# EAGLE board working (EAGLE 9.6.2), part 3 of 28
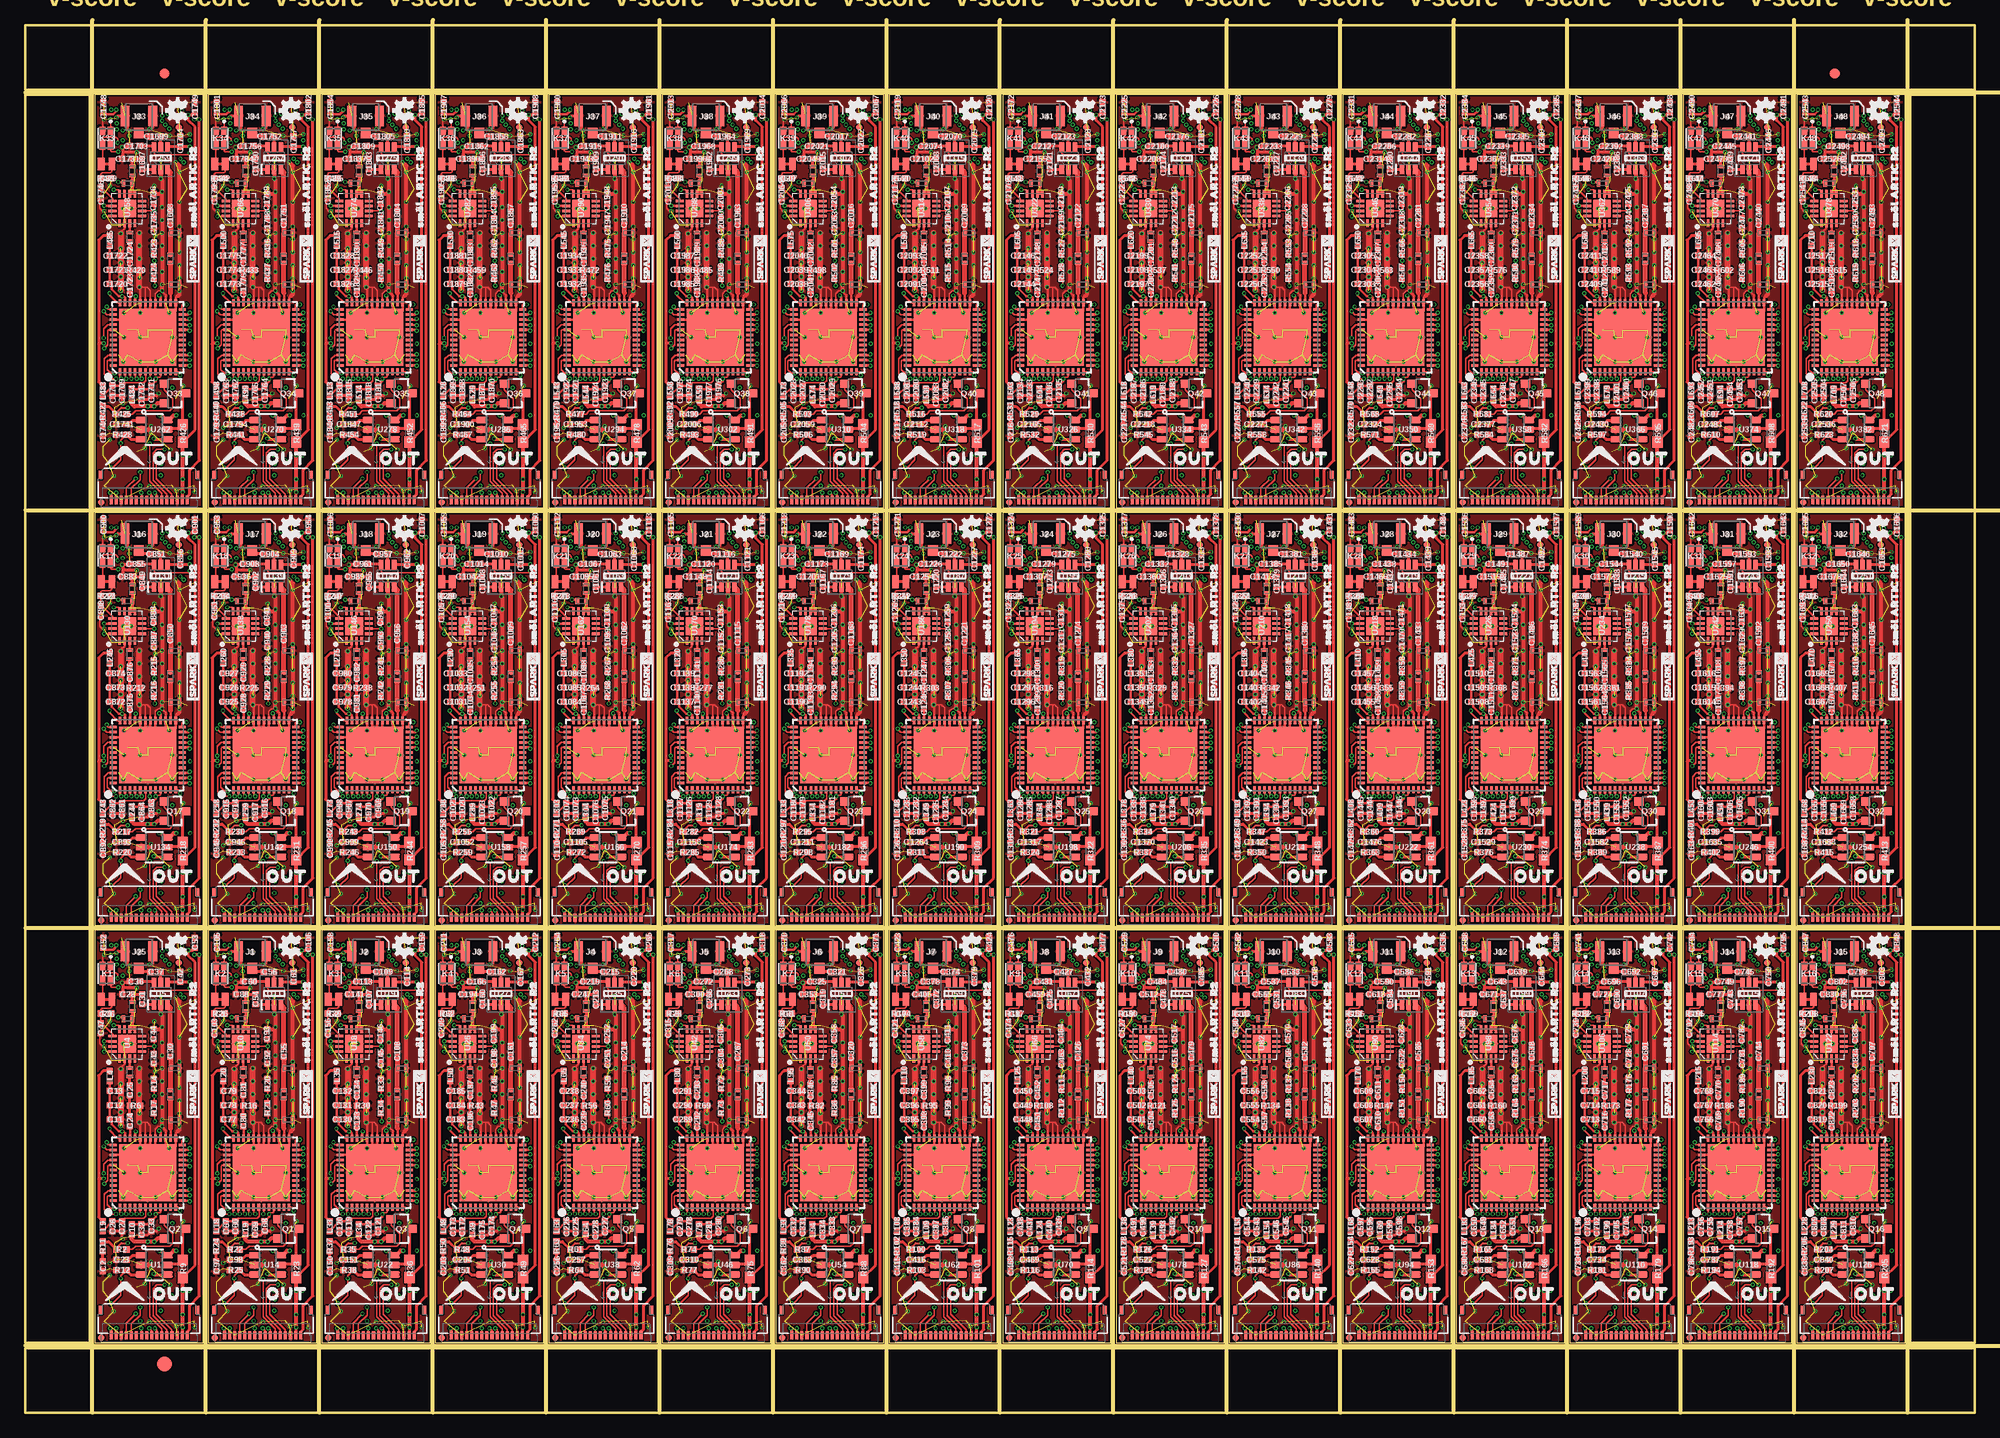
[diagram p0: board, top side]
## Placement (x,y rotation side) (continued)
C1873  0.1uF  [0402-TIGHT]  41.85,109.6 0 bottom
C1874  22pF  [0402-TIGHT]  42.67,104.71 270 bottom
C1875  0.1uF  [0402-TIGHT]  43.62,104.71 270 bottom
C1876  1.0uF  [0402-TIGHT]  45.59,107.12 270 bottom
C1877  47nF  [0402-TIGHT]  44.64,107.12 270 bottom
C1878  1.0nF  [0402-TIGHT]  41.21,107.28 90 bottom
C1879  100pF  [0402-TIGHT]  42.35,111.19 0 top
C1880  1.0uF  [0402-TIGHT]  42.35,112.59 0 top
C1881  10uF  [0402-TIGHT]  42.35,113.98 0 top
C1882  100pF  [0402-TIGHT]  43.81,111 90 top
C1883  100pF  [0402-TIGHT]  43.81,114.05 90 top
C1884  100pF  [0402-TIGHT]  41.78,122.3 180 bottom
C1885  100pF  [0402-TIGHT]  42.1,117.48 90 bottom
C1886  2.2uF  [0402-TIGHT]  43.05,117.48 90 bottom
C1887  22pF  [0402-TIGHT]  43.88,119.89 90 bottom
C1888  2.2uF  [0402-TIGHT]  44.83,119.89 90 bottom
C1889  2.4 pF  [0402_MURATA]  47.82,113.67 90 top
C1890  9.1pF  [0402-TIGHT]  43.56,123.51 0 top
C1891  100pF  [0402-TIGHT]  43.81,121.35 180 bottom
C1892  2.2uF  [0402-TIGHT]  43.81,122.3 180 bottom
C1893  10uF  [0402-TIGHT]  43.81,123.25 180 bottom
C1894  100pF  [0402-TIGHT]  46.16,117.16 90 top
C1895  2.2uF  [0402-TIGHT]  46.16,119.57 90 top
C1896  22pF  [0402-TIGHT]  48.51,104.71 270 bottom
C1897  0.1uF  [0402-TIGHT]  47.56,104.71 270 bottom
C1898  2.2uF  [0402-TIGHT]  49.66,91.31 180 bottom
C1899  10nF  [0402-TIGHT]  41.15,96.71 270 top
C1900  1.0uF  [0402-TIGHT]  42.99,97.35 180 top
C1901  2.2uF  [0402-TIGHT]  41.72,94.23 0 bottom
C1902  0.1uF  [0402-TIGHT]  43.43,96.9 90 bottom
C1903  1.0uF  [0402-TIGHT]  50.42,122.49 90 bottom
C1904  0.1uF  [0402-TIGHT]  48.77,99.89 0 bottom
C1905  100pF  [0402-TIGHT]  40.96,120.14 90 top
C1906  0.1uF  [0402-TIGHT]  44.01,94.68 180 bottom
C1907  2.2uF  [0402-TIGHT]  41.21,128.59 90 top
C1908  2.2uF  [0402-TIGHT]  50.23,128.59 90 top
C1909  100pF  [0402-TIGHT]  56.2,123 90 top
C1910  100pF  [0402-TIGHT]  58.99,117.86 270 top
C1911  100pF  [0402-TIGHT]  57.53,125.73 0 top
C1912  1.0uF  [0402-TIGHT]  52.96,99 180 bottom
C1913  1.0uF  [0402-TIGHT]  52.9,95.19 0 bottom
C1914  2.2uF  [0402-TIGHT]  52.96,91.31 0 bottom
C1915  100pF  [0402-TIGHT]  55.5,124.78 180 top
C1916  100pF  [0402-TIGHT]  59.94,125.22 90 top
C1917  22pF  [0402-TIGHT]  60.64,110.3 90 bottom
C1918  0.1uF  [0402-TIGHT]  58.93,110.68 90 bottom
C1919  22pF  [0402-TIGHT]  58.29,107.12 270 bottom
C1920  0.1uF  [0402-TIGHT]  59.25,107.12 270 bottom
C1921  22pF  [0402-TIGHT]  54.23,100.65 270 top
C1922  0.1uF  [0402-TIGHT]  53.28,100.65 270 top
C1923  22pF  [0402-TIGHT]  57.09,100.65 270 top
C1924  0.1uF  [0402-TIGHT]  56.13,100.33 270 top
C1925  22pF  [0402-TIGHT]  55.12,109.16 180 bottom
C1926  0.1uF  [0402-TIGHT]  53.02,109.6 0 bottom
C1927  22pF  [0402-TIGHT]  53.85,104.71 270 bottom
C1928  0.1uF  [0402-TIGHT]  54.8,104.71 270 bottom
C1929  1.0uF  [0402-TIGHT]  56.77,107.12 270 bottom
C1930  47nF  [0402-TIGHT]  55.82,107.12 270 bottom
C1931  1.0nF  [0402-TIGHT]  52.39,107.28 90 bottom
C1932  100pF  [0402-TIGHT]  53.53,111.19 0 top
C1933  1.0uF  [0402-TIGHT]  53.53,112.59 0 top
C1934  10uF  [0402-TIGHT]  53.53,113.98 0 top
C1935  100pF  [0402-TIGHT]  54.99,111 90 top
C1936  100pF  [0402-TIGHT]  54.99,114.05 90 top
C1937  100pF  [0402-TIGHT]  52.96,122.3 180 bottom
C1938  100pF  [0402-TIGHT]  53.28,117.48 90 bottom
C1939  2.2uF  [0402-TIGHT]  54.23,117.48 90 bottom
C1940  22pF  [0402-TIGHT]  55.05,119.89 90 bottom
C1941  2.2uF  [0402-TIGHT]  56.01,119.89 90 bottom
C1942  2.4 pF  [0402_MURATA]  58.99,113.67 90 top
C1943  9.1pF  [0402-TIGHT]  54.74,123.51 0 top
C1944  100pF  [0402-TIGHT]  54.99,121.35 180 bottom
C1945  2.2uF  [0402-TIGHT]  54.99,122.3 180 bottom
C1946  10uF  [0402-TIGHT]  54.99,123.25 180 bottom
C1947  100pF  [0402-TIGHT]  57.34,117.16 90 top
C1948  2.2uF  [0402-TIGHT]  57.34,119.57 90 top
C1949  22pF  [0402-TIGHT]  59.69,104.71 270 bottom
C1950  0.1uF  [0402-TIGHT]  58.74,104.71 270 bottom
C1951  2.2uF  [0402-TIGHT]  60.83,91.31 180 bottom
C1952  10nF  [0402-TIGHT]  52.32,96.71 270 top
C1953  1.0uF  [0402-TIGHT]  54.17,97.35 180 top
C1954  2.2uF  [0402-TIGHT]  52.9,94.23 0 bottom
C1955  0.1uF  [0402-TIGHT]  54.61,96.9 90 bottom
C1956  1.0uF  [0402-TIGHT]  61.59,122.49 90 bottom
C1957  0.1uF  [0402-TIGHT]  59.94,99.89 0 bottom
C1958  100pF  [0402-TIGHT]  52.13,120.14 90 top
C1959  0.1uF  [0402-TIGHT]  55.18,94.68 180 bottom
C1960  2.2uF  [0402-TIGHT]  52.39,128.59 90 top
C1961  2.2uF  [0402-TIGHT]  61.4,128.59 90 top
C1962  100pF  [0402-TIGHT]  67.37,123 90 top
C1963  100pF  [0402-TIGHT]  70.17,117.86 270 top
C1964  100pF  [0402-TIGHT]  68.71,125.73 0 top
C1965  1.0uF  [0402-TIGHT]  64.14,99 180 bottom
C1966  1.0uF  [0402-TIGHT]  64.07,95.19 0 bottom
C1967  2.2uF  [0402-TIGHT]  64.14,91.31 0 bottom
C1968  100pF  [0402-TIGHT]  66.67,124.78 180 top
C1969  100pF  [0402-TIGHT]  71.12,125.22 90 top
C1970  22pF  [0402-TIGHT]  71.82,110.3 90 bottom
C1971  0.1uF  [0402-TIGHT]  70.1,110.68 90 bottom
C1972  22pF  [0402-TIGHT]  69.47,107.12 270 bottom
C1973  0.1uF  [0402-TIGHT]  70.42,107.12 270 bottom
C1974  22pF  [0402-TIGHT]  65.41,100.65 270 top
C1975  0.1uF  [0402-TIGHT]  64.45,100.65 270 top
C1976  22pF  [0402-TIGHT]  68.26,100.65 270 top
C1977  0.1uF  [0402-TIGHT]  67.31,100.33 270 top
C1978  22pF  [0402-TIGHT]  66.29,109.16 180 bottom
C1979  0.1uF  [0402-TIGHT]  64.2,109.6 0 bottom
C1980  22pF  [0402-TIGHT]  65.02,104.71 270 bottom
C1981  0.1uF  [0402-TIGHT]  65.98,104.71 270 bottom
C1982  1.0uF  [0402-TIGHT]  67.95,107.12 270 bottom
C1983  47nF  [0402-TIGHT]  66.99,107.12 270 bottom
C1984  1.0nF  [0402-TIGHT]  63.56,107.28 90 bottom
C1985  100pF  [0402-TIGHT]  64.71,111.19 0 top
C1986  1.0uF  [0402-TIGHT]  64.71,112.59 0 top
C1987  10uF  [0402-TIGHT]  64.71,113.98 0 top
C1988  100pF  [0402-TIGHT]  66.17,111 90 top
C1989  100pF  [0402-TIGHT]  66.17,114.05 90 top
C1990  100pF  [0402-TIGHT]  64.14,122.3 180 bottom
C1991  100pF  [0402-TIGHT]  64.45,117.48 90 bottom
C1992  2.2uF  [0402-TIGHT]  65.41,117.48 90 bottom
C1993  22pF  [0402-TIGHT]  66.23,119.89 90 bottom
C1994  2.2uF  [0402-TIGHT]  67.18,119.89 90 bottom
C1995  2.4 pF  [0402_MURATA]  70.17,113.67 90 top
C1996  9.1pF  [0402-TIGHT]  65.91,123.51 0 top
C1997  100pF  [0402-TIGHT]  66.17,121.35 180 bottom
C1998  2.2uF  [0402-TIGHT]  66.17,122.3 180 bottom
C1999  10uF  [0402-TIGHT]  66.17,123.25 180 bottom
C2000  100pF  [0402-TIGHT]  68.52,117.16 90 top
C2001  2.2uF  [0402-TIGHT]  68.52,119.57 90 top
C2002  22pF  [0402-TIGHT]  70.87,104.71 270 bottom
C2003  0.1uF  [0402-TIGHT]  69.91,104.71 270 bottom
C2004  2.2uF  [0402-TIGHT]  72.01,91.31 180 bottom
C2005  10nF  [0402-TIGHT]  63.5,96.71 270 top
C2006  1.0uF  [0402-TIGHT]  65.34,97.35 180 top
C2007  2.2uF  [0402-TIGHT]  64.07,94.23 0 bottom
C2008  0.1uF  [0402-TIGHT]  65.79,96.9 90 bottom
C2009  1.0uF  [0402-TIGHT]  72.77,122.49 90 bottom
C2010  0.1uF  [0402-TIGHT]  71.12,99.89 0 bottom
C2011  100pF  [0402-TIGHT]  63.31,120.14 90 top
C2012  0.1uF  [0402-TIGHT]  66.36,94.68 180 bottom
C2013  2.2uF  [0402-TIGHT]  63.56,128.59 90 top
C2014  2.2uF  [0402-TIGHT]  72.58,128.59 90 top
C2015  100pF  [0402-TIGHT]  78.55,123 90 top
C2016  100pF  [0402-TIGHT]  81.34,117.86 270 top
C2017  100pF  [0402-TIGHT]  79.88,125.73 0 top
C2018  1.0uF  [0402-TIGHT]  75.31,99 180 bottom
C2019  1.0uF  [0402-TIGHT]  75.25,95.19 0 bottom
C2020  2.2uF  [0402-TIGHT]  75.31,91.31 0 bottom
C2021  100pF  [0402-TIGHT]  77.85,124.78 180 top
C2022  100pF  [0402-TIGHT]  82.3,125.22 90 top
C2023  22pF  [0402-TIGHT]  82.99,110.3 90 bottom
C2024  0.1uF  [0402-TIGHT]  81.28,110.68 90 bottom
C2025  22pF  [0402-TIGHT]  80.65,107.12 270 bottom
C2026  0.1uF  [0402-TIGHT]  81.6,107.12 270 bottom
C2027  22pF  [0402-TIGHT]  76.58,100.65 270 top
C2028  0.1uF  [0402-TIGHT]  75.63,100.65 270 top
C2029  22pF  [0402-TIGHT]  79.44,100.65 270 top
C2030  0.1uF  [0402-TIGHT]  78.49,100.33 270 top
C2031  22pF  [0402-TIGHT]  77.47,109.16 180 bottom
C2032  0.1uF  [0402-TIGHT]  75.37,109.6 0 bottom
C2033  22pF  [0402-TIGHT]  76.2,104.71 270 bottom
C2034  0.1uF  [0402-TIGHT]  77.15,104.71 270 bottom
C2035  1.0uF  [0402-TIGHT]  79.12,107.12 270 bottom
C2036  47nF  [0402-TIGHT]  78.17,107.12 270 bottom
C2037  1.0nF  [0402-TIGHT]  74.74,107.28 90 bottom
C2038  100pF  [0402-TIGHT]  75.88,111.19 0 top
C2039  1.0uF  [0402-TIGHT]  75.88,112.59 0 top
C2040  10uF  [0402-TIGHT]  75.88,113.98 0 top
C2041  100pF  [0402-TIGHT]  77.34,111 90 top
C2042  100pF  [0402-TIGHT]  77.34,114.05 90 top
C2043  100pF  [0402-TIGHT]  75.31,122.3 180 bottom
C2044  100pF  [0402-TIGHT]  75.63,117.48 90 bottom
C2045  2.2uF  [0402-TIGHT]  76.58,117.48 90 bottom
C2046  22pF  [0402-TIGHT]  77.41,119.89 90 bottom
C2047  2.2uF  [0402-TIGHT]  78.36,119.89 90 bottom
C2048  2.4 pF  [0402_MURATA]  81.34,113.67 90 top
C2049  9.1pF  [0402-TIGHT]  77.09,123.51 0 top
C2050  100pF  [0402-TIGHT]  77.34,121.35 180 bottom
C2051  2.2uF  [0402-TIGHT]  77.34,122.3 180 bottom
C2052  10uF  [0402-TIGHT]  77.34,123.25 180 bottom
C2053  100pF  [0402-TIGHT]  79.69,117.16 90 top
C2054  2.2uF  [0402-TIGHT]  79.69,119.57 90 top
C2055  22pF  [0402-TIGHT]  82.04,104.71 270 bottom
C2056  0.1uF  [0402-TIGHT]  81.09,104.71 270 bottom
C2057  2.2uF  [0402-TIGHT]  83.19,91.31 180 bottom
C2058  10nF  [0402-TIGHT]  74.68,96.71 270 top
C2059  1.0uF  [0402-TIGHT]  76.52,97.35 180 top
C2060  2.2uF  [0402-TIGHT]  75.25,94.23 0 bottom
C2061  0.1uF  [0402-TIGHT]  76.96,96.9 90 bottom
C2062  1.0uF  [0402-TIGHT]  83.95,122.49 90 bottom
C2063  0.1uF  [0402-TIGHT]  82.3,99.89 0 bottom
C2064  100pF  [0402-TIGHT]  74.49,120.14 90 top
C2065  0.1uF  [0402-TIGHT]  77.53,94.68 180 bottom
C2066  2.2uF  [0402-TIGHT]  74.74,128.59 90 top
C2067  2.2uF  [0402-TIGHT]  83.76,128.59 90 top
C2068  100pF  [0402-TIGHT]  89.73,123 90 top
C2069  100pF  [0402-TIGHT]  92.52,117.86 270 top
C2070  100pF  [0402-TIGHT]  91.06,125.73 0 top
C2071  1.0uF  [0402-TIGHT]  86.49,99 180 bottom
C2072  1.0uF  [0402-TIGHT]  86.42,95.19 0 bottom
C2073  2.2uF  [0402-TIGHT]  86.49,91.31 0 bottom
C2074  100pF  [0402-TIGHT]  89.03,124.78 180 top
C2075  100pF  [0402-TIGHT]  93.47,125.22 90 top
C2076  22pF  [0402-TIGHT]  94.17,110.3 90 bottom
C2077  0.1uF  [0402-TIGHT]  92.46,110.68 90 bottom
C2078  22pF  [0402-TIGHT]  91.82,107.12 270 bottom
C2079  0.1uF  [0402-TIGHT]  92.77,107.12 270 bottom
C2080  22pF  [0402-TIGHT]  87.76,100.65 270 top
C2081  0.1uF  [0402-TIGHT]  86.8,100.65 270 top
C2082  22pF  [0402-TIGHT]  90.61,100.65 270 top
C2083  0.1uF  [0402-TIGHT]  89.66,100.33 270 top
C2084  22pF  [0402-TIGHT]  88.65,109.16 180 bottom
C2085  0.1uF  [0402-TIGHT]  86.55,109.6 0 bottom
C2086  22pF  [0402-TIGHT]  87.38,104.71 270 bottom
C2087  0.1uF  [0402-TIGHT]  88.33,104.71 270 bottom
C2088  1.0uF  [0402-TIGHT]  90.3,107.12 270 bottom
C2089  47nF  [0402-TIGHT]  89.34,107.12 270 bottom
C2090  1.0nF  [0402-TIGHT]  85.92,107.28 90 bottom
C2091  100pF  [0402-TIGHT]  87.06,111.19 0 top
C2092  1.0uF  [0402-TIGHT]  87.06,112.59 0 top
C2093  10uF  [0402-TIGHT]  87.06,113.98 0 top
C2094  100pF  [0402-TIGHT]  88.52,111 90 top
C2095  100pF  [0402-TIGHT]  88.52,114.05 90 top
C2096  100pF  [0402-TIGHT]  86.49,122.3 180 bottom
C2097  100pF  [0402-TIGHT]  86.8,117.48 90 bottom
C2098  2.2uF  [0402-TIGHT]  87.76,117.48 90 bottom
C2099  22pF  [0402-TIGHT]  88.58,119.89 90 bottom
C2100  2.2uF  [0402-TIGHT]  89.54,119.89 90 bottom
C2101  2.4 pF  [0402_MURATA]  92.52,113.67 90 top
C2102  9.1pF  [0402-TIGHT]  88.27,123.51 0 top
C2103  100pF  [0402-TIGHT]  88.52,121.35 180 bottom
C2104  2.2uF  [0402-TIGHT]  88.52,122.3 180 bottom
C2105  10uF  [0402-TIGHT]  88.52,123.25 180 bottom
C2106  100pF  [0402-TIGHT]  90.87,117.16 90 top
C2107  2.2uF  [0402-TIGHT]  90.87,119.57 90 top
C2108  22pF  [0402-TIGHT]  93.22,104.71 270 bottom
C2109  0.1uF  [0402-TIGHT]  92.27,104.71 270 bottom
C2110  2.2uF  [0402-TIGHT]  94.36,91.31 180 bottom
C2111  10nF  [0402-TIGHT]  85.85,96.71 270 top
C2112  1.0uF  [0402-TIGHT]  87.69,97.35 180 top
C2113  2.2uF  [0402-TIGHT]  86.42,94.23 0 bottom
C2114  0.1uF  [0402-TIGHT]  88.14,96.9 90 bottom
C2115  1.0uF  [0402-TIGHT]  95.12,122.49 90 bottom
C2116  0.1uF  [0402-TIGHT]  93.47,99.89 0 bottom
C2117  100pF  [0402-TIGHT]  85.66,120.14 90 top
C2118  0.1uF  [0402-TIGHT]  88.71,94.68 180 bottom
C2119  2.2uF  [0402-TIGHT]  85.92,128.59 90 top
C2120  2.2uF  [0402-TIGHT]  94.93,128.59 90 top
C2121  100pF  [0402-TIGHT]  100.9,123 90 top
C2122  100pF  [0402-TIGHT]  103.7,117.86 270 top
C2123  100pF  [0402-TIGHT]  102.23,125.73 0 top
C2124  1.0uF  [0402-TIGHT]  97.66,99 180 bottom
C2125  1.0uF  [0402-TIGHT]  97.6,95.19 0 bottom
C2126  2.2uF  [0402-TIGHT]  97.66,91.31 0 bottom
C2127  100pF  [0402-TIGHT]  100.2,124.78 180 top
C2128  100pF  [0402-TIGHT]  104.65,125.22 90 top
C2129  22pF  [0402-TIGHT]  105.35,110.3 90 bottom
C2130  0.1uF  [0402-TIGHT]  103.63,110.68 90 bottom
C2131  22pF  [0402-TIGHT]  103,107.12 270 bottom
C2132  0.1uF  [0402-TIGHT]  103.95,107.12 270 bottom
C2133  22pF  [0402-TIGHT]  98.93,100.65 270 top
C2134  0.1uF  [0402-TIGHT]  97.98,100.65 270 top
C2135  22pF  [0402-TIGHT]  101.79,100.65 270 top
C2136  0.1uF  [0402-TIGHT]  100.84,100.33 270 top
C2137  22pF  [0402-TIGHT]  99.82,109.16 180 bottom
C2138  0.1uF  [0402-TIGHT]  97.73,109.6 0 bottom
C2139  22pF  [0402-TIGHT]  98.55,104.71 270 bottom
C2140  0.1uF  [0402-TIGHT]  99.5,104.71 270 bottom
C2141  1.0uF  [0402-TIGHT]  101.47,107.12 270 bottom
C2142  47nF  [0402-TIGHT]  100.52,107.12 270 bottom
C2143  1.0nF  [0402-TIGHT]  97.09,107.28 90 bottom
C2144  100pF  [0402-TIGHT]  98.23,111.19 0 top
C2145  1.0uF  [0402-TIGHT]  98.23,112.59 0 top
C2146  10uF  [0402-TIGHT]  98.23,113.98 0 top
C2147  100pF  [0402-TIGHT]  99.7,111 90 top
C2148  100pF  [0402-TIGHT]  99.7,114.05 90 top
C2149  100pF  [0402-TIGHT]  97.66,122.3 180 bottom
C2150  100pF  [0402-TIGHT]  97.98,117.48 90 bottom
C2151  2.2uF  [0402-TIGHT]  98.93,117.48 90 bottom
C2152  22pF  [0402-TIGHT]  99.76,119.89 90 bottom
C2153  2.2uF  [0402-TIGHT]  100.71,119.89 90 bottom
C2154  2.4 pF  [0402_MURATA]  103.7,113.67 90 top
C2155  9.1pF  [0402-TIGHT]  99.44,123.51 0 top
C2156  100pF  [0402-TIGHT]  99.7,121.35 180 bottom
C2157  2.2uF  [0402-TIGHT]  99.7,122.3 180 bottom
C2158  10uF  [0402-TIGHT]  99.7,123.25 180 bottom
C2159  100pF  [0402-TIGHT]  102.04,117.16 90 top
C2160  2.2uF  [0402-TIGHT]  102.04,119.57 90 top
C2161  22pF  [0402-TIGHT]  104.39,104.71 270 bottom
C2162  0.1uF  [0402-TIGHT]  103.44,104.71 270 bottom
C2163  2.2uF  [0402-TIGHT]  105.54,91.31 180 bottom
C2164  10nF  [0402-TIGHT]  97.03,96.71 270 top
C2165  1.0uF  [0402-TIGHT]  98.87,97.35 180 top
C2166  2.2uF  [0402-TIGHT]  97.6,94.23 0 bottom
C2167  0.1uF  [0402-TIGHT]  99.31,96.9 90 bottom
C2168  1.0uF  [0402-TIGHT]  106.3,122.49 90 bottom
C2169  0.1uF  [0402-TIGHT]  104.65,99.89 0 bottom
C2170  100pF  [0402-TIGHT]  96.84,120.14 90 top
C2171  0.1uF  [0402-TIGHT]  99.89,94.68 180 bottom
C2172  2.2uF  [0402-TIGHT]  97.09,128.59 90 top
C2173  2.2uF  [0402-TIGHT]  106.11,128.59 90 top
C2174  100pF  [0402-TIGHT]  112.08,123 90 top
C2175  100pF  [0402-TIGHT]  114.87,117.86 270 top
C2176  100pF  [0402-TIGHT]  113.41,125.73 0 top
C2177  1.0uF  [0402-TIGHT]  108.84,99 180 bottom
C2178  1.0uF  [0402-TIGHT]  108.78,95.19 0 bottom
C2179  2.2uF  [0402-TIGHT]  108.84,91.31 0 bottom
C2180  100pF  [0402-TIGHT]  111.38,124.78 180 top
C2181  100pF  [0402-TIGHT]  115.82,125.22 90 top
C2182  22pF  [0402-TIGHT]  116.52,110.3 90 bottom
C2183  0.1uF  [0402-TIGHT]  114.81,110.68 90 bottom
C2184  22pF  [0402-TIGHT]  114.17,107.12 270 bottom
C2185  0.1uF  [0402-TIGHT]  115.13,107.12 270 bottom
C2186  22pF  [0402-TIGHT]  110.11,100.65 270 top
C2187  0.1uF  [0402-TIGHT]  109.16,100.65 270 top
C2188  22pF  [0402-TIGHT]  112.97,100.65 270 top
C2189  0.1uF  [0402-TIGHT]  112.01,100.33 270 top
C2190  22pF  [0402-TIGHT]  111,109.16 180 bottom
C2191  0.1uF  [0402-TIGHT]  108.9,109.6 0 bottom
C2192  22pF  [0402-TIGHT]  109.73,104.71 270 bottom
C2193  0.1uF  [0402-TIGHT]  110.68,104.71 270 bottom
C2194  1.0uF  [0402-TIGHT]  112.65,107.12 270 bottom
C2195  47nF  [0402-TIGHT]  111.7,107.12 270 bottom
C2196  1.0nF  [0402-TIGHT]  108.27,107.28 90 bottom
C2197  100pF  [0402-TIGHT]  109.41,111.19 0 top
C2198  1.0uF  [0402-TIGHT]  109.41,112.59 0 top
C2199  10uF  [0402-TIGHT]  109.41,113.98 0 top
C2200  100pF  [0402-TIGHT]  110.87,111 90 top
C2201  100pF  [0402-TIGHT]  110.87,114.05 90 top
C2202  100pF  [0402-TIGHT]  108.84,122.3 180 bottom
C2203  100pF  [0402-TIGHT]  109.16,117.48 90 bottom
C2204  2.2uF  [0402-TIGHT]  110.11,117.48 90 bottom
C2205  22pF  [0402-TIGHT]  110.93,119.89 90 bottom
C2206  2.2uF  [0402-TIGHT]  111.89,119.89 90 bottom
C2207  2.4 pF  [0402_MURATA]  114.87,113.67 90 top
C2208  9.1pF  [0402-TIGHT]  110.62,123.51 0 top
C2209  100pF  [0402-TIGHT]  110.87,121.35 180 bottom
C2210  2.2uF  [0402-TIGHT]  110.87,122.3 180 bottom
C2211  10uF  [0402-TIGHT]  110.87,123.25 180 bottom
C2212  100pF  [0402-TIGHT]  113.22,117.16 90 top
C2213  2.2uF  [0402-TIGHT]  113.22,119.57 90 top
C2214  22pF  [0402-TIGHT]  115.57,104.71 270 bottom
C2215  0.1uF  [0402-TIGHT]  114.62,104.71 270 bottom
C2216  2.2uF  [0402-TIGHT]  116.71,91.31 180 bottom
C2217  10nF  [0402-TIGHT]  108.2,96.71 270 top
C2218  1.0uF  [0402-TIGHT]  110.05,97.35 180 top
C2219  2.2uF  [0402-TIGHT]  108.78,94.23 0 bottom
C2220  0.1uF  [0402-TIGHT]  110.49,96.9 90 bottom
C2221  1.0uF  [0402-TIGHT]  117.48,122.49 90 bottom
C2222  0.1uF  [0402-TIGHT]  115.82,99.89 0 bottom
C2223  100pF  [0402-TIGHT]  108.01,120.14 90 top
C2224  0.1uF  [0402-TIGHT]  111.06,94.68 180 bottom
C2225  2.2uF  [0402-TIGHT]  108.27,128.59 90 top
C2226  2.2uF  [0402-TIGHT]  117.28,128.59 90 top
C2227  100pF  [0402-TIGHT]  123.25,123 90 top
C2228  100pF  [0402-TIGHT]  126.05,117.86 270 top
C2229  100pF  [0402-TIGHT]  124.59,125.73 0 top
C2230  1.0uF  [0402-TIGHT]  120.02,99 180 bottom
C2231  1.0uF  [0402-TIGHT]  119.95,95.19 0 bottom
C2232  2.2uF  [0402-TIGHT]  120.02,91.31 0 bottom
C2233  100pF  [0402-TIGHT]  122.56,124.78 180 top
C2234  100pF  [0402-TIGHT]  127,125.22 90 top
C2235  22pF  [0402-TIGHT]  127.7,110.3 90 bottom
C2236  0.1uF  [0402-TIGHT]  125.98,110.68 90 bottom
C2237  22pF  [0402-TIGHT]  125.35,107.12 270 bottom
C2238  0.1uF  [0402-TIGHT]  126.3,107.12 270 bottom
C2239  22pF  [0402-TIGHT]  121.29,100.65 270 top
C2240  0.1uF  [0402-TIGHT]  120.33,100.65 270 top
C2241  22pF  [0402-TIGHT]  124.14,100.65 270 top
C2242  0.1uF  [0402-TIGHT]  123.19,100.33 270 top
C2243  22pF  [0402-TIGHT]  122.17,109.16 180 bottom
C2244  0.1uF  [0402-TIGHT]  120.08,109.6 0 bottom
C2245  22pF  [0402-TIGHT]  120.9,104.71 270 bottom
C2246  0.1uF  [0402-TIGHT]  121.86,104.71 270 bottom
C2247  1.0uF  [0402-TIGHT]  123.83,107.12 270 bottom
C2248  47nF  [0402-TIGHT]  122.87,107.12 270 bottom
C2249  1.0nF  [0402-TIGHT]  119.44,107.28 90 bottom
C2250  100pF  [0402-TIGHT]  120.59,111.19 0 top
C2251  1.0uF  [0402-TIGHT]  120.59,112.59 0 top
C2252  10uF  [0402-TIGHT]  120.59,113.98 0 top
C2253  100pF  [0402-TIGHT]  122.05,111 90 top
C2254  100pF  [0402-TIGHT]  122.05,114.05 90 top
C2255  100pF  [0402-TIGHT]  120.02,122.3 180 bottom
C2256  100pF  [0402-TIGHT]  120.33,117.48 90 bottom
C2257  2.2uF  [0402-TIGHT]  121.29,117.48 90 bottom
C2258  22pF  [0402-TIGHT]  122.11,119.89 90 bottom
C2259  2.2uF  [0402-TIGHT]  123.06,119.89 90 bottom
C2260  2.4 pF  [0402_MURATA]  126.05,113.67 90 top
C2261  9.1pF  [0402-TIGHT]  121.79,123.51 0 top
C2262  100pF  [0402-TIGHT]  122.05,121.35 180 bottom
C2263  2.2uF  [0402-TIGHT]  122.05,122.3 180 bottom
C2264  10uF  [0402-TIGHT]  122.05,123.25 180 bottom
C2265  100pF  [0402-TIGHT]  124.4,117.16 90 top
C2266  2.2uF  [0402-TIGHT]  124.4,119.57 90 top
C2267  22pF  [0402-TIGHT]  126.75,104.71 270 bottom
C2268  0.1uF  [0402-TIGHT]  125.79,104.71 270 bottom
C2269  2.2uF  [0402-TIGHT]  127.89,91.31 180 bottom
C2270  10nF  [0402-TIGHT]  119.38,96.71 270 top
C2271  1.0uF  [0402-TIGHT]  121.22,97.35 180 top
C2272  2.2uF  [0402-TIGHT]  119.95,94.23 0 bottom
C2273  0.1uF  [0402-TIGHT]  121.67,96.9 90 bottom
C2274  1.0uF  [0402-TIGHT]  128.65,122.49 90 bottom
C2275  0.1uF  [0402-TIGHT]  127,99.89 0 bottom
C2276  100pF  [0402-TIGHT]  119.19,120.14 90 top
C2277  0.1uF  [0402-TIGHT]  122.24,94.68 180 bottom
C2278  2.2uF  [0402-TIGHT]  119.44,128.59 90 top
C2279  2.2uF  [0402-TIGHT]  128.46,128.59 90 top
C2280  100pF  [0402-TIGHT]  134.43,123 90 top
C2281  100pF  [0402-TIGHT]  137.22,117.86 270 top
C2282  100pF  [0402-TIGHT]  135.76,125.73 0 top
C2283  1.0uF  [0402-TIGHT]  131.19,99 180 bottom
C2284  1.0uF  [0402-TIGHT]  131.13,95.19 0 bottom
C2285  2.2uF  [0402-TIGHT]  131.19,91.31 0 bottom
C2286  100pF  [0402-TIGHT]  133.73,124.78 180 top
C2287  100pF  [0402-TIGHT]  138.18,125.22 90 top
C2288  22pF  [0402-TIGHT]  138.87,110.3 90 bottom
C2289  0.1uF  [0402-TIGHT]  137.16,110.68 90 bottom
C2290  22pF  [0402-TIGHT]  136.53,107.12 270 bottom
C2291  0.1uF  [0402-TIGHT]  137.48,107.12 270 bottom
C2292  22pF  [0402-TIGHT]  132.46,100.65 270 top
C2293  0.1uF  [0402-TIGHT]  131.51,100.65 270 top
C2294  22pF  [0402-TIGHT]  135.32,100.65 270 top
C2295  0.1uF  [0402-TIGHT]  134.37,100.33 270 top
C2296  22pF  [0402-TIGHT]  133.35,109.16 180 bottom
C2297  0.1uF  [0402-TIGHT]  131.25,109.6 0 bottom
C2298  22pF  [0402-TIGHT]  132.08,104.71 270 bottom
C2299  0.1uF  [0402-TIGHT]  133.03,104.71 270 bottom
C2300  1.0uF  [0402-TIGHT]  135,107.12 270 bottom
C2301  47nF  [0402-TIGHT]  134.05,107.12 270 bottom
C2302  1.0nF  [0402-TIGHT]  130.62,107.28 90 bottom
C2303  100pF  [0402-TIGHT]  131.76,111.19 0 top
C2304  1.0uF  [0402-TIGHT]  131.76,112.59 0 top
C2305  10uF  [0402-TIGHT]  131.76,113.98 0 top
C2306  100pF  [0402-TIGHT]  133.22,111 90 top
C2307  100pF  [0402-TIGHT]  133.22,114.05 90 top
C2308  100pF  [0402-TIGHT]  131.19,122.3 180 bottom
C2309  100pF  [0402-TIGHT]  131.51,117.48 90 bottom
C2310  2.2uF  [0402-TIGHT]  132.46,117.48 90 bottom
C2311  22pF  [0402-TIGHT]  133.29,119.89 90 bottom
C2312  2.2uF  [0402-TIGHT]  134.24,119.89 90 bottom
C2313  2.4 pF  [0402_MURATA]  137.22,113.67 90 top
C2314  9.1pF  [0402-TIGHT]  132.97,123.51 0 top
C2315  100pF  [0402-TIGHT]  133.22,121.35 180 bottom
C2316  2.2uF  [0402-TIGHT]  133.22,122.3 180 bottom
C2317  10uF  [0402-TIGHT]  133.22,123.25 180 bottom
C2318  100pF  [0402-TIGHT]  135.57,117.16 90 top
C2319  2.2uF  [0402-TIGHT]  135.57,119.57 90 top
C2320  22pF  [0402-TIGHT]  137.92,104.71 270 bottom
C2321  0.1uF  [0402-TIGHT]  136.97,104.71 270 bottom
C2322  2.2uF  [0402-TIGHT]  139.06,91.31 180 bottom
C2323  10nF  [0402-TIGHT]  130.56,96.71 270 top
C2324  1.0uF  [0402-TIGHT]  132.4,97.35 180 top
C2325  2.2uF  [0402-TIGHT]  131.13,94.23 0 bottom
C2326  0.1uF  [0402-TIGHT]  132.84,96.9 90 bottom
C2327  1.0uF  [0402-TIGHT]  139.83,122.49 90 bottom
C2328  0.1uF  [0402-TIGHT]  138.18,99.89 0 bottom
C2329  100pF  [0402-TIGHT]  130.37,120.14 90 top
C2330  0.1uF  [0402-TIGHT]  133.41,94.68 180 bottom
C2331  2.2uF  [0402-TIGHT]  130.62,128.59 90 top
C2332  2.2uF  [0402-TIGHT]  139.64,128.59 90 top
C2333  100pF  [0402-TIGHT]  145.61,123 90 top
C2334  100pF  [0402-TIGHT]  148.4,117.86 270 top
C2335  100pF  [0402-TIGHT]  146.94,125.73 0 top
C2336  1.0uF  [0402-TIGHT]  142.37,99 180 bottom
C2337  1.0uF  [0402-TIGHT]  142.3,95.19 0 bottom
C2338  2.2uF  [0402-TIGHT]  142.37,91.31 0 bottom
C2339  100pF  [0402-TIGHT]  144.91,124.78 180 top
C2340  100pF  [0402-TIGHT]  149.35,125.22 90 top
C2341  22pF  [0402-TIGHT]  150.05,110.3 90 bottom
C2342  0.1uF  [0402-TIGHT]  148.34,110.68 90 bottom
C2343  22pF  [0402-TIGHT]  147.7,107.12 270 bottom
C2344  0.1uF  [0402-TIGHT]  148.65,107.12 270 bottom
C2345  22pF  [0402-TIGHT]  143.64,100.65 270 top
C2346  0.1uF  [0402-TIGHT]  142.68,100.65 270 top
C2347  22pF  [0402-TIGHT]  146.49,100.65 270 top
C2348  0.1uF  [0402-TIGHT]  145.54,100.33 270 top
C2349  22pF  [0402-TIGHT]  144.53,109.16 180 bottom
C2350  0.1uF  [0402-TIGHT]  142.43,109.6 0 bottom
C2351  22pF  [0402-TIGHT]  143.26,104.71 270 bottom
C2352  0.1uF  [0402-TIGHT]  144.21,104.71 270 bottom
C2353  1.0uF  [0402-TIGHT]  146.18,107.12 270 bottom
C2354  47nF  [0402-TIGHT]  145.22,107.12 270 bottom
C2355  1.0nF  [0402-TIGHT]  141.8,107.28 90 bottom
C2356  100pF  [0402-TIGHT]  142.94,111.19 0 top
C2357  1.0uF  [0402-TIGHT]  142.94,112.59 0 top
C2358  10uF  [0402-TIGHT]  142.94,113.98 0 top
C2359  100pF  [0402-TIGHT]  144.4,111 90 top
C2360  100pF  [0402-TIGHT]  144.4,114.05 90 top
C2361  100pF  [0402-TIGHT]  142.37,122.3 180 bottom
C2362  100pF  [0402-TIGHT]  142.68,117.48 90 bottom
C2363  2.2uF  [0402-TIGHT]  143.64,117.48 90 bottom
C2364  22pF  [0402-TIGHT]  144.46,119.89 90 bottom
C2365  2.2uF  [0402-TIGHT]  145.41,119.89 90 bottom
C2366  2.4 pF  [0402_MURATA]  148.4,113.67 90 top
C2367  9.1pF  [0402-TIGHT]  144.15,123.51 0 top
C2368  100pF  [0402-TIGHT]  144.4,121.35 180 bottom
C2369  2.2uF  [0402-TIGHT]  144.4,122.3 180 bottom
C2370  10uF  [0402-TIGHT]  144.4,123.25 180 bottom
C2371  100pF  [0402-TIGHT]  146.75,117.16 90 top
C2372  2.2uF  [0402-TIGHT]  146.75,119.57 90 top